# Allegro board reComputer J401_V1.0.brd (continued)
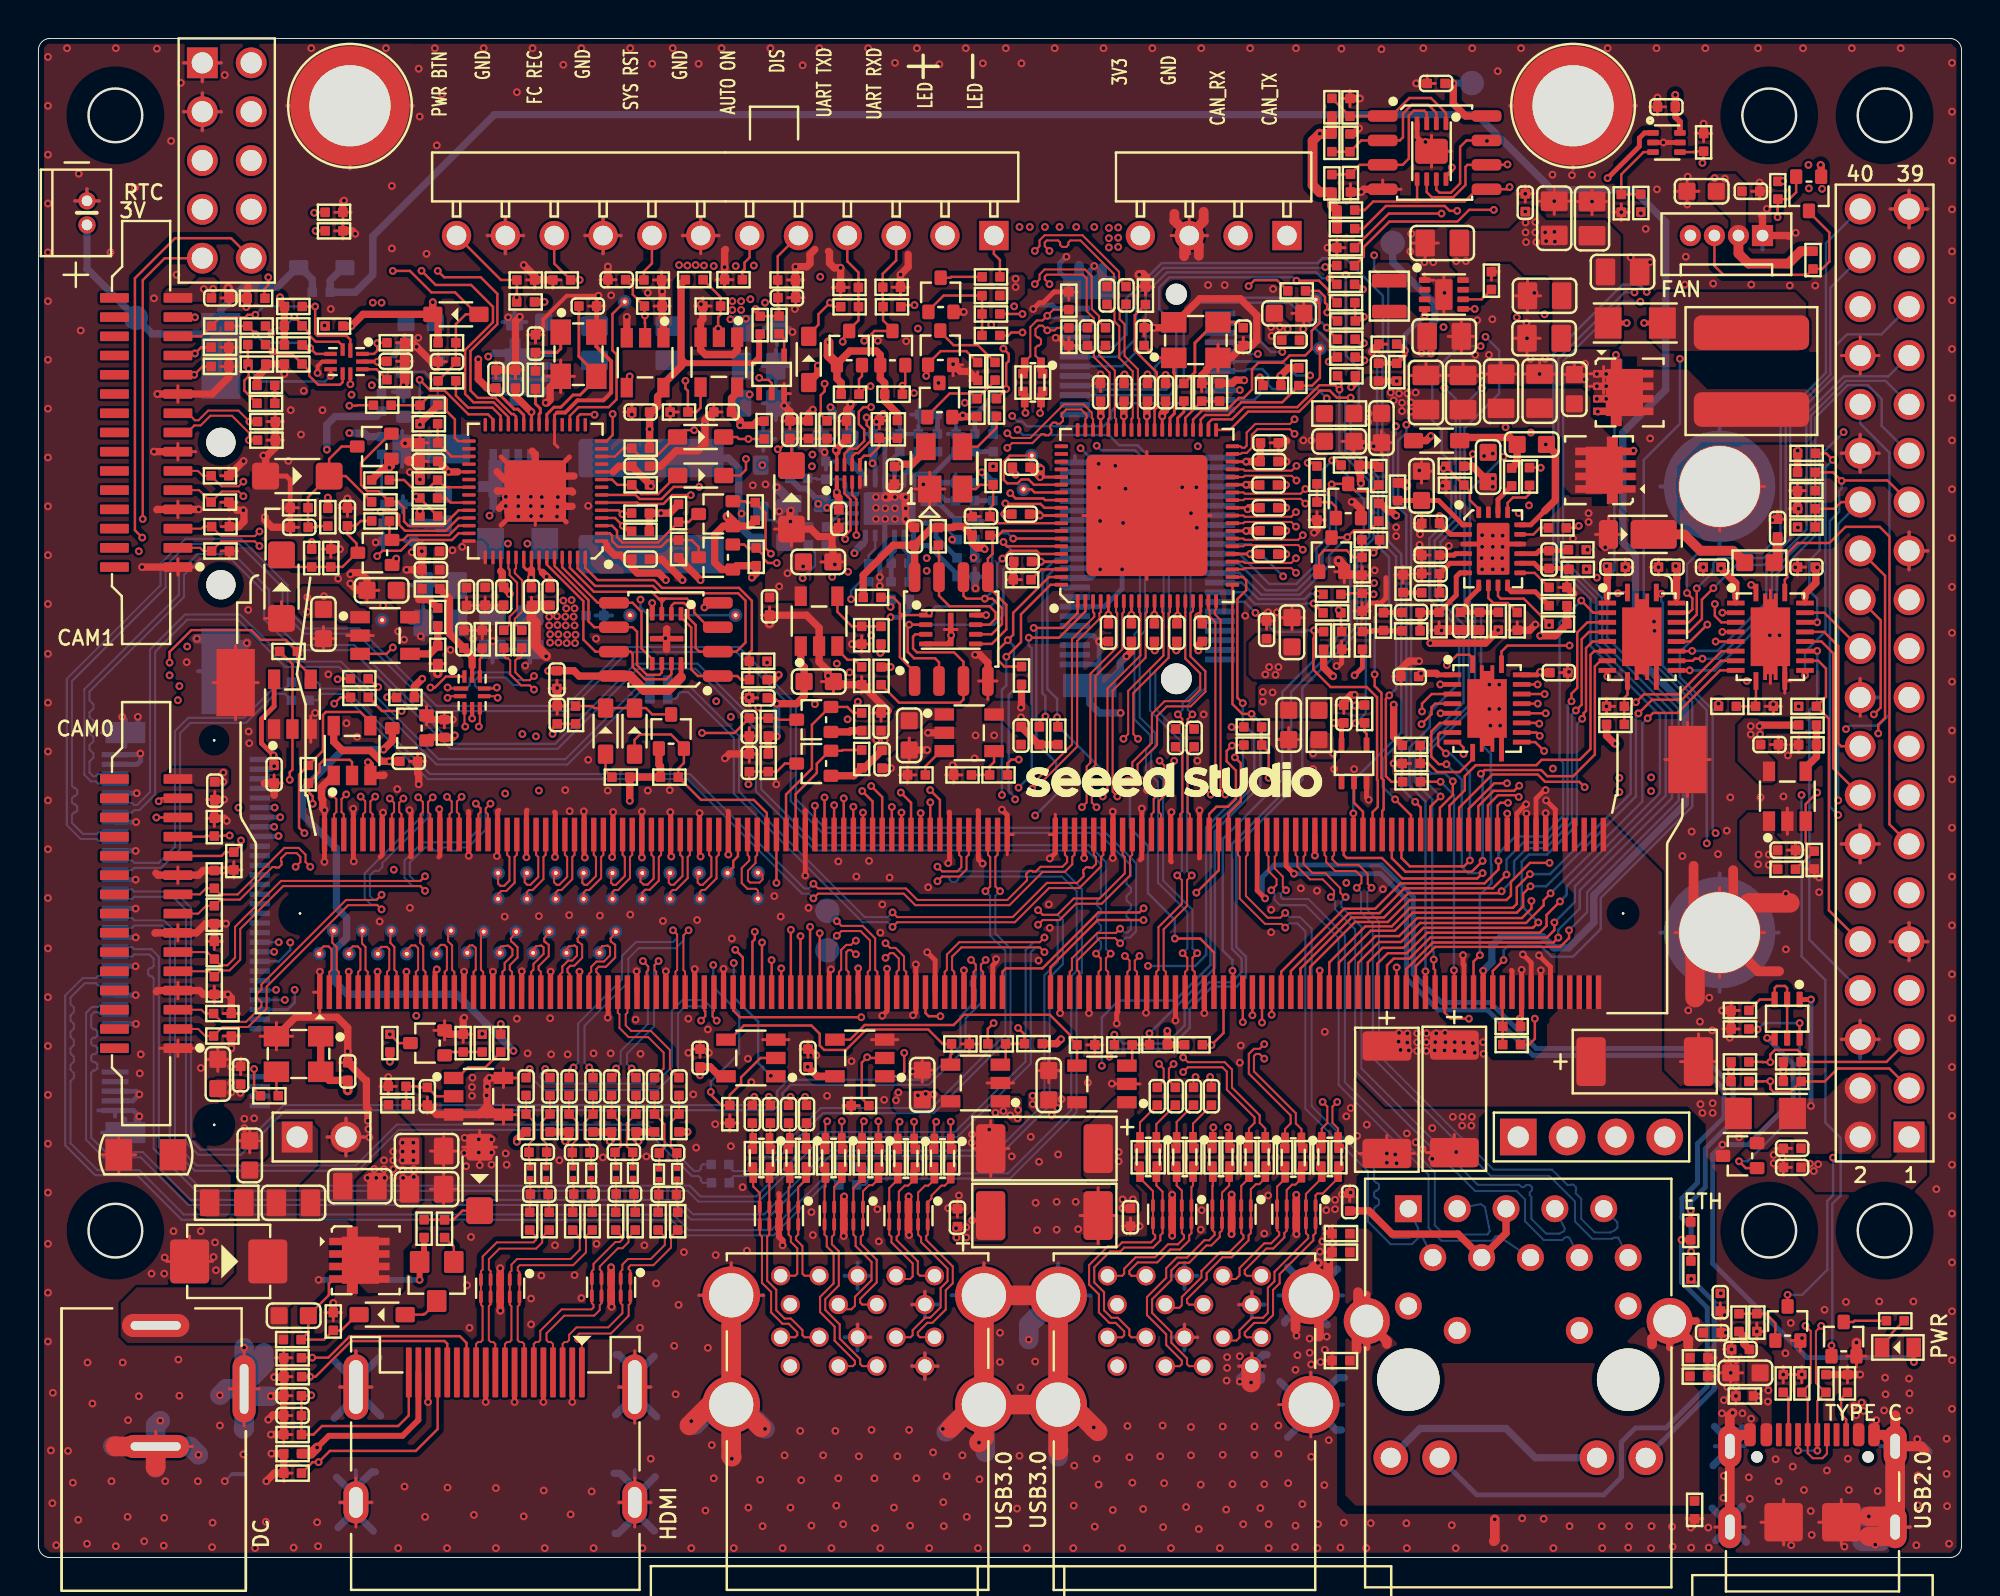
[diagram p0: board, top side]
## Routing (per net, layer and track width the routed paths; a pad name or vN(x,y) marks a point on that pad's centre or on a via; arc(x,y) is an arc through that point) (continued)
  TOP w0.152: R122.2 42.81,47.93 ; R122.2 42.81,47.08 ; R122.2 43.24,47.5 ; 8.71,38.45 D19.1 9.14,38.02 ; 50.26,50.85 R129.2 ; R129.2 51.12,50.85 ; R129.2 50.69,50.43 ; D50.1 7.86,16.72 ; D50.1 9.06,15.4 ; D50.1 6.67,15.4 ; 86.12,1.59 R280.1 ; R280.1 86.55,2.01 ; R280.1 85.69,2.01 ; 85.38,25.79 C48.2 ; C48.2 87.26,25.79 ; C48.2 86.32,27.24 ; 86.14,51.51 v1(86.57,51.51) 86.57,51.08 ; D44.1 42.14,66.05 ; D44.1 41.71,65.62 ; D44.1 41.28,66.05 ; J2.3 11.47,8.77 ; J2.3 9.91,8.77 ; J2.3 10.69,6.84 ; J2.3 10.69,10.7 ; 14.9,12.74 R258.2 ; R258.2 15.33,12.31 ; R258.2 15.76,12.74 ; 60.92,61.06 R178.1 60.49,60.63 ; MH3.1 89.75,32.5 ; MH3.1 85.09,32.5 ; MH3.1 87.42,30.17 ; MH3.1 87.42,34.83 ; C64.2 90.91,42.28 ; C64.2 90.48,41.85 ; C64.2 90.05,42.28 ; C64.2 90.48,42.71 ; 39.38,65.09 C159.2 ; C159.2 38.95,65.52 ; C159.2 39.81,65.52 ; v1(82.52,51.51) 82.52,51.93 ; v1(82.52,51.51) 82.52,51.08 ; v1(82.52,51.51) 82.95,51.51 ; 53.58,65.39 D42.1 ; D42.1 54.01,65.82 ; D42.1 53.58,66.25 ; 72.18,21.06 C38.2 73.62,22 ; 24.38,61.75 C142.2 ; C142.2 25.23,61.75 ; C142.2 24.8,61.32 ; 64.56,48.88 C86.2 ; C86.2 65.18,49.5 ; C86.2 65.18,48.26 ; C86.2 65.81,48.88 ; 61.34,63.1 X2.2 61.34,61.68 ; 26.96,59.54 26.84,59.42 U29.19 26.84,57.92 27.01,57.74 ; 77.94,70.54 v1(78.82,70.54) ; v1(78.82,70.54) 78.82,69.85 ; v1(78.82,70.54) 78.82,71.23 ; v1(78.82,70.54) 79.7,70.54 ; 81.39,61.19 Q8.1 ; Q8.1 80.66,61.56 ; Q8.1 81.39,61.94 ; 13.18,8.41 C4.2 12.75,8.84 ; C197.1 34.4,26.87 ; C197.1 33.97,26.44 ; C197.1 34.83,26.44 ; C197.1 34.4,26.01 ; 81.54,43.84 R158.1 ; R158.1 81.97,44.27 ; R158.1 81.54,44.7 ; 48.41,26.28 R74.2 ; R74.2 48.83,26.71 ; R74.2 48.41,27.14 ; R74.2 47.98,26.71 ; v1(77.4,63.41) 77.4,64.28 ; v1(77.4,63.41) 77.4,62.53 ; v1(77.4,63.41) 76.72,63.41 ; v1(77.4,63.41) 78.09,63.41 ; C187.2 20.65,23.53 ; C187.2 20.22,23.1 ; C187.2 20.22,23.95 ; C187.2 19.79,23.53 ; 23.79,62.18 C143.2 23.79,61.32 ; 87.5,12.12 C1.1 87.5,11.26 ; 15.83,68.57 D55.1 ; D55.1 15.4,68.99 ; D55.1 15.83,69.42 ; J4.4 46.77,9.96 ; J4.4 45.42,9.96 ; J4.4 46.09,10.64 ; J4.4 46.09,9.28 ; 28.42,68.75 J15.9 ; J15.9 29.36,67.81 ; J15.9 30.3,68.75 ; J15.9 29.36,69.69 ; C9.2 68.18,19.38 ; C9.2 68.18,18.52 ; C9.2 67.76,18.95 ; 30.85,60 C135.2 30.43,59.57 ; 9.92,65.07 C158.2 ; C158.2 9.49,65.5 ; C158.2 10.35,65.5 ; C104.2 76.93,61.54 ; C104.2 76.06,62.23 ; C104.2 75.18,61.54 ; U41.9 72.44,73.96 ; U41.9 72.44,72.3 ; U41.9 73.47,73.13 ; C44.2 46.58,25.35 ; C44.2 45.52,25.35 ; C44.2 45.96,25.97 ; C44.2 45.96,24.73 ; U43.4 24.87,23.04 ; U43.4 24.18,22.54 ; U43.4 24.18,23.53 ; R86.2 48.02,40.7 ; R86.2 47.16,40.7 ; R86.2 47.59,40.27 ; 91.91,35.81 R261.2 92.34,35.38 ; 42.81,44.96 R114.2 ; R114.2 43.24,45.39 ; R114.2 42.81,45.82 ; 48.58,21.27 C19.2 ; C19.2 49.52,22.72 ; C19.2 50.46,21.27 ; C19.2 49.52,19.82 ; v1(78.06,61.55) 78.94,61.55 ; v1(78.06,61.55) 77.19,61.55 ; v1(78.06,61.55) 78.06,62.24 ; J10.34 94.73,63.49 ; J10.34 93.75,62.51 ; J10.34 94.73,61.53 ; J10.34 95.71,62.51 ; 44.83,65.63 D45.1 ; D45.1 45.26,66.06 ; D45.1 44.4,66.06 ; v1(90.73,9.52) 91.16,9.52 ; v1(90.73,9.52) 90.73,9.94 ; v1(90.73,9.52) 90.73,9.09 ; C7.2 87.45,13.24 ; C7.2 87.45,12.39 ; C7.2 87.88,12.82 ; 86.8,9.86 R281.1 87.23,9.43 ; D48.1 32.41,66.87 ; D48.1 32.84,66.44 ; D48.1 31.98,66.44 ; 17.71,50.3 C99.2 17.08,49.68 ; 25.8,66.01 D46.1 25.37,66.44 ; C163.2 5.05,20.95 ; C163.2 3.3,20.95 ; C163.2 4.18,19.96 ; C163.2 4.18,21.94 ; 66.84,16.85 R279.1 ; R279.1 67.27,17.27 ; R279.1 67.27,16.42 ; 12.33,9.41 D3.1 ; D3.1 12.76,9.83 ; D3.1 13.19,9.41 ; 62.65,62.6 C153.2 ; C153.2 62.22,63.03 ; C153.2 62.65,63.46 ; 26.55,44.28 C73.2 ; C73.2 26.97,43.85 ; C73.2 27.4,44.28 ; D18.1 10.59,35.76 ; D18.1 10.16,36.19 ; D18.1 10.16,35.33 ; R246.2 18.62,24.51 ; R246.2 17.76,24.51 ; R246.2 18.19,24.08 ; D59.1 82.32,53.21 ; D59.1 80.96,53.21 ; D59.1 81.64,54.14 ; C136.2 35.11,60 ; C136.2 35.54,59.57 ; C136.2 35.11,59.14 ; 73.19,55.34 R174.2 73.19,56.2 ; 48.89,45.59 U26.4 ; U26.4 49.37,44.63 ; U26.4 49.85,45.59 ; 10.46,27.12 D12.1 9.6,27.12 ; 9.14,29.71 D14.1 9.14,28.86 ; C14.2 90.73,20.72 ; C14.2 91.16,20.29 ; C14.2 90.3,20.29 ; C14.2 90.73,19.86 ; 12.75,3.96 D1.1 13.18,4.39 ; 43.27,11.46 J4.7 42.59,12.14 ; 91.53,41.84 R98.2 ; R98.2 91.53,42.7 ; R98.2 91.1,42.27 ; 71.93,50.74 C192.2 ; C192.2 71.5,51.16 ; C192.2 72.36,51.16 ; C192.2 71.93,51.59 ; 14.16,43.77 U44.3 14.16,42.4 ; 22.26,49.94 C94.2 22.26,49.08 ; 12.66,54.59 R144.2 13.52,54.59 ; 57.28,24.63 U13.2 55.91,24.63 ; C11.2 56.78,17.66 ; C11.2 56.78,16.81 ; C11.2 56.36,17.24 ; C11.2 57.21,17.24 ; 72.11,67.48 C164.2 ; C164.2 72.79,68.36 ; C164.2 71.42,68.36 ; 87.17,1.59 J1.S1 88.73,1.59 ; C180.2 72.54,56.5 ; C180.2 71.92,57.12 ; C180.2 71.92,55.87 ; 6.09,6.55 J2.2 8.02,5.77 ; 79.24,61.52 C117.2 ; C117.2 80.49,61.52 ; C117.2 79.87,62.15 ; J5.20 31.84,8.87 ; J5.20 31.01,6.99 ; J5.20 31.01,10.75 ; J5.20 30.18,8.87 ; C75.2 36.98,45.14 ; C75.2 37.4,44.71 ; C75.2 36.98,44.28 ; C75.2 36.55,44.71 ; C162.2 30.04,66.45 ; C162.2 29.18,66.45 ; C162.2 29.61,66.02 ; 34.35,13.64 J4.19 ; J4.19 37.7,13.64 ; J4.19 36.02,15.32 ; 21.07,18.28 C195.2 ; C195.2 21.07,20.03 ; C195.2 20.38,19.16 ; C195.2 21.76,19.16 ; C131.2 70.46,57.98 ; C131.2 69.84,57.36 ; C131.2 69.21,57.98 ; C131.2 69.84,58.6 ; 11.54,27.11 OSC1.2 ; OSC1.2 13.21,27.11 ; OSC1.2 12.37,27.82 ; OSC1.2 12.37,26.4 ; 32.86,65.08 R221.2 32,65.08 ; J12.7 8.18,57.51 ; J12.7 7.25,57.94 ; J12.7 7.25,57.08 ; 96.29,70.13 J10.39 ; J10.39 97.27,71.11 ; J10.39 98.25,70.13 ; J10.39 97.27,69.15 ; 49.16,11.96 J4.22 ; J4.22 49.16,15.32 ; J4.22 50.84,13.64 ; 15.99,20.89 J7.2 ; J7.2 15.01,21.87 ; J7.2 16.97,21.87 ; J7.2 15.99,22.85 ; 70.53,51.11 R276.2 ; R276.2 70.96,50.68 ; R276.2 70.96,51.54 ; R276.2 71.38,51.11 ; 18.62,62.21 C146.2 19.47,62.21 ; C76.2 41.96,45.55 ; C76.2 41.34,44.93 ; C76.2 40.71,45.55 ; 66.16,6.27 J3.21 ; J3.21 64.48,7.95 ; J3.21 66.16,9.63 ; C166.2 89.94,71.05 ; C166.2 89.51,71.48 ; C166.2 89.08,71.05 ; C166.2 89.51,70.62 ; 67.27,9.81 R277.1 ; R277.1 66.84,10.24 ; R277.1 67.27,10.67 ; 32.85,59.14 R170.2 ; R170.2 33.27,59.57 ; R170.2 32.85,60 ; v1(88,9.6) 88,10.23 ; v1(88,9.6) 88.62,9.6 ; v1(88,9.6) 88,8.98 ; v1(88,9.6) 87.38,9.6 ; 79.52,45.59 C78.2 ; C78.2 79.09,46.02 ; C78.2 79.52,46.45 ; 37.59,49.01 C89.2 38.02,49.44 ; 11.76,48.84 D23.1 12.64,49.72 ; C45.2 10.52,25.97 ; C45.2 10.52,25.12 ; C45.2 10.09,25.54 ; C46.2 9.33,26.53 ; C46.2 9.33,25.29 ; C46.2 9.95,25.91 ; C46.2 8.71,25.91 ; R119.2 23.08,48.65 ; R119.2 23.08,47.79 ; R119.2 23.51,48.22 ; R119.2 22.65,48.22 ; 12.75,5.97 D4.1 13.18,6.4 ; 45.42,13.16 J4.13 46.09,13.84 ; 81.39,60.54 Q8.2 ; Q8.2 80.66,60.91 ; Q8.2 81.39,61.29 ; 44.16,59.14 R166.2 43.73,58.71 ; J5.21 17.34,8.87 ; J5.21 16.51,10.75 ; J5.21 15.68,8.87 ; 36.54,42.73 C69.2 ; C69.2 36.96,43.16 ; C69.2 37.39,42.73 ; 9.93,51.92 D25.1 ; D25.1 9.5,52.34 ; D25.1 10.36,52.34 ; 19.41,57.01 C122.2 20.27,57.01 ; J10.9 98.25,32.03 ; J10.9 96.29,32.03 ; J10.9 97.27,31.05 ; J10.9 97.27,33.01 ; D40.1 54.01,63.02 ; D40.1 53.58,63.45 ; D40.1 53.58,62.59 ; C134.2 77.43,66.49 ; C134.2 78.12,65.62 ; C134.2 76.74,65.62 ; C134.2 77.43,64.74 ; 12.25,40.7 C205.2 12.68,40.27 ; J10.6 94.73,27.93 ; J10.6 93.75,26.95 ; J10.6 95.71,26.95 ; 13.53,53.58 C110.2 13.1,53.15 ; J9.1 8.18,26.49 ; J9.1 7.25,26.06 ; J9.1 7.25,26.92 ; J9.1 6.32,26.49 ; 7.54,77.73 J17.1 ; J17.1 8.52,76.75 ; J17.1 9.5,77.73 ; 16.04,47.95 U24.2 17.41,47.95 ; 35.25,66.46 R229.2 ; R229.2 36.11,66.46 ; R229.2 35.68,66.03 ; v1(84.24,51.51) 84.24,51.93 ; v1(84.24,51.51) 83.81,51.51 ; v1(84.24,51.51) 84.24,51.08 ; C88.2 14.82,48.41 ; C88.2 14.2,47.79 ; C88.2 15.44,47.79 ; C88.2 14.82,47.16 ; 9.5,53.61 D26.1 9.93,54.04 ; 71.35,41.3 R90.1 70.92,40.87 ; R278.1 67.27,16.31 ; R278.1 67.27,15.45 ; R278.1 66.84,15.88 ; C155.2 91.9,51.51 ; C155.2 91.47,51.93 ; C155.2 91.47,51.08 ; R70.2 55.36,26.66 ; R70.2 54.93,27.09 ; R70.2 54.93,26.23 ; R70.2 54.5,26.66 ; U43.5 24.18,25.44 ; U43.5 24.18,24.44 ; U43.5 24.87,24.94 ; 70.13,63.1 R199.2 69.7,62.67 ; C147.2 26.27,63.59 ; C147.2 25.85,64.02 ; C147.2 25.85,63.16 ; C147.2 25.42,63.59 ; 66.05,53.96 R265.2 ; R265.2 66.48,54.39 ; R265.2 66.91,53.96 ; 9.17,38.99 C60.2 ; C60.2 8.74,39.42 ; C60.2 9.17,39.85 ; C10.2 47.79,18.56 ; C10.2 47.36,18.14 ; C10.2 48.21,18.14 ; C10.2 47.79,17.71 ; J5.22 31.84,2.87 ; J5.22 31.01,4.15 ; J5.22 30.18,2.87 ; J5.22 31.01,1.59 ; 9.47,61.95 D37.1 10.33,61.95 ; J15.11 25.22,68.75 ; J15.11 23.34,68.75 ; J15.11 24.28,67.81 ; J15.11 24.28,69.69 ; J10.14 95.71,37.11 ; J10.14 94.73,36.13 ; J10.14 93.75,37.11 ; J10.14 94.73,38.09 ; 38.65,59.11 C130.2 39.07,58.69 ; 89.75,55.7 MH4.1 87.42,53.37 ; 49.33,24.68 U14.2 50.7,24.68 ; 42.03,58.68 C129.2 41.6,59.11 ; 48.12,54.14 C113.2 48.98,54.14 ; C43.2 53.16,25.32 ; C43.2 51.91,25.32 ; C43.2 52.54,25.95 ; C43.2 52.54,24.7 ; 79.8,72.22 MH2.1 ; MH2.1 83.08,75.5 ; MH2.1 76.52,75.5 ; 45.28,41.37 C68.2 45.28,42.62 ; 94.07,9.09 R3.2 94.07,9.94 ; D49.1 39.79,66.44 ; D49.1 38.94,66.44 ; D49.1 39.37,66.01 ; 72.64,76.66 C168.2 72.22,77.09 ; 41.19,53.56 C111.1 41.62,53.99 ; v1(70.12,21.01) 70.12,21.95 ; v1(70.12,21.01) 71.57,21.01 ; v1(70.12,21.01) 68.67,21.01 ; R253.2 72.83,48.66 ; R253.2 73.26,48.23 ; R253.2 72.4,48.23 ; 20.18,44.29 Q16.2 20.18,43.3 ; 47.77,48.26 U25.9 47.11,48.26 ; Q19.2 68.4,51.27 ; Q19.2 67.41,51.27 ; Q19.2 67.9,50.71 ; 22.12,48.65 C80.2 22.55,48.22 ; v1(80.79,70.52) 81.66,70.52 ; v1(80.79,70.52) 80.79,71.21 ; v1(80.79,70.52) 80.79,69.83 ; v1(80.79,70.52) 79.91,70.52 ; 9.6,28.29 D13.1 10.46,28.29 ; 8.52,74.21 J17.3 ; J17.3 8.52,76.17 ; J17.3 7.54,75.19 ; J17.3 9.5,75.19 ; 29.46,65.08 C157.2 28.6,65.08 ; J11.261 86.93,41.5 ; J11.261 85.75,43.43 ; J11.261 84.57,41.5 ; J11.261 85.75,39.57 ; J14.1 3.15,70.55 ; J14.1 1.89,70.55 ; J14.1 2.52,71.18 ; 73.08,66.66 U38.9 73.08,64.7 ; C193.2 85.72,71.68 ; C193.2 85.1,71.05 ; C193.2 86.35,71.05 ; C193.2 85.72,70.43 ; C206.2 20.15,41.41 ; C206.2 19.72,41.84 ; C206.2 19.29,41.41 ; 15.2,52.01 R131.2 ; R131.2 14.77,52.44 ; R131.2 15.2,52.87 ; J12.1 7.25,51.94 ; J12.1 8.18,51.51 ; J12.1 7.25,51.08 ; 20.38,21.14 C194.2 ; C194.2 21.76,21.14 ; C194.2 21.07,22.02 ; C194.2 21.07,20.26 ; 11.89,59.08 D36.1 ; D36.1 12.32,59.5 ; D36.1 12.74,59.08 ; R85.2 45.19,41.13 ; R85.2 45.19,40.27 ; R85.2 45.62,40.7 ; R85.2 44.76,40.7 ; 55.23,60.63 C137.2 54.8,61.06 ; 73.3,63.51 C148.2 ; C148.2 74.68,63.51 ; C148.2 73.99,64.38 ; C148.2 73.99,62.63 ; D8.1 12.75,10.82 ; D8.1 12.33,10.39 ; D8.1 13.18,10.39 ; 34.44,67.81 J15.7 ; J15.7 34.44,69.69 ; J15.7 33.5,68.75 ; J15.7 35.38,68.75 ; 82.31,69.54 v1(82.31,69.97) ; v1(82.31,69.97) 81.88,69.97 ; v1(82.31,69.97) 82.74,69.97 ; v1(82.31,69.97) 82.31,70.39 ; 18.62,63.18 R200.2 19.05,63.6 ; 90.3,21.28 C20.2 ; C20.2 90.73,20.85 ; C20.2 91.16,21.28 ; 15.68,2.87 J5.23 ; J5.23 17.34,2.87 ; J5.23 16.51,4.15 ; J5.23 16.51,1.59 ; C59.2 91.37,37.22 ; C59.2 90.94,36.79 ; C59.2 91.37,36.36 ; C59.2 91.79,36.79 ; C196.1 84.62,75.44 ; C196.1 84.19,75.02 ; C196.1 83.76,75.44 ; C121.2 44.51,56.24 ; C121.2 44.51,55.38 ; C121.2 44.94,55.81 ; C121.2 44.08,55.81 ; 64.47,57.54 C127.2 64.04,57.97 ; D24.1 69.26,49.22 ; D24.1 68.4,49.22 ; D24.1 68.83,48.79 ; D24.1 68.83,49.65 ; 97.33,1.59 J1.S3 95.77,1.59 ; 12.74,58.11 D35.1 11.89,58.11 ; v1(77.31,70.92) 77.31,71.35 ; v1(77.31,70.92) 76.89,70.92 ; v1(77.31,70.92) 77.31,70.49 ; v1(77.31,70.92) 77.74,70.92 ; D31.1 9.9,56.68 ; D31.1 9.47,56.26 ; D31.1 10.33,56.26 ; C145.2 21.21,62.19 ; C145.2 20.78,61.76 ; C145.2 20.78,62.62 ; R222.2 34.55,65.51 ; R222.2 34.98,65.08 ; R222.2 34.12,65.08 ; 64.39,42.54 C70.2 ; C70.2 65.64,42.54 ; C70.2 65.01,43.16 ; C70.2 65.01,41.92 ; 57.56,65.66 R225.2 ; R225.2 57.99,66.09 ; R225.2 57.14,66.09 ; 67.77,75.88 R243.2 ; R243.2 68.2,75.45 ; R243.2 68.2,76.31 ; 45.56,55.57 U31.1 ; U31.1 46.35,56.45 ; U31.1 46.35,54.69 ; U31.1 47.13,55.57 ; 12.33,7.39 C2.2 13.18,7.39 ; J10.25 97.27,53.33 ; J10.25 98.25,52.35 ; J10.25 97.27,51.37 ; 39.16,52.61 D29.1 38.28,53.49 ; R75.2 36.38,22.59 ; R75.2 35.95,22.17 ; R75.2 35.52,22.59 ; R75.2 35.95,23.02 ; 90.06,45.46 U21.21 90.06,50.32 ; 91.62,10.73 Q1.2 91.12,11.29 ; Q3.2 21.12,27.91 ; Q3.2 20.56,27.42 ; Q3.2 21.12,26.92 ; 71.93,51.7 C190.2 ; C190.2 72.36,52.13 ; C190.2 71.5,52.13 ; 43.81,43.5 C71.2 43.39,43.92 ; 7.25,35.92 J9.10 7.25,35.06 ; 26.75,66.01 D47.1 27.18,66.44 ; C92.2 74.96,61.48 ; C92.2 73.2,61.48 ; C92.2 74.08,62.16 ; 24.19,49.1 C98.2 23.76,49.53 ; 55.1,16.34 C12.2 ; C12.2 55.1,19.23 ; C12.2 56.04,17.79 ; C12.2 54.16,17.79 ; 63.09,13.83 J3.13 62.41,13.15 ; 65.8,64.08 C154.2 ; C154.2 65.8,65.33 ; C154.2 65.17,64.71 ; 71.5,53.78 C123.2 71.93,54.21 ; 20.27,57.97 R155.2 19.84,58.4 ; 25.64,49.94 C95.2 26.07,49.51 ; 69.9,71.64 U40.4 70.86,71.16 ; 91.27,9.52 v1(91.69,9.52) ; v1(91.69,9.52) 91.69,9.09 ; v1(91.69,9.52) 91.69,9.94 ; 79.48,50.88 R274.2 79.05,50.45 ; 89.79,44.27 R107.1 ; R107.1 90.64,44.27 ; R107.1 90.21,43.84 ; C93.2 72.15,62.16 ; C93.2 73.03,61.48 ; C93.2 71.27,61.48 ; 67.45,44.33 C74.1 67.88,43.9 ; 90.94,37.61 U15.2 90.94,38.98 ; 7.25,54.08 J12.4 7.25,54.94 ; 7.25,29.06 J9.4 7.25,29.92 ; 91.04,54.54 D28.1 91.47,54.11 ; v1(88.27,8.4) 88.27,8.83 ; v1(88.27,8.4) 87.84,8.4 ; v1(88.27,8.4) 88.27,7.97 ; 63.86,48.28 C87.2 ; C87.2 63.43,48.71 ; C87.2 64.29,48.71 ; C112.2 16.5,54.58 ; C112.2 16.07,54.15 ; C112.2 15.64,54.58 ; 57.64,50.86 U28.77 ; U28.77 54.31,54.19 ; U28.77 57.64,57.52 ; U28.77 60.97,54.19 ; 48.06,62.02 Q29.2 47.56,61.46 ; 89.57,1.84 J1.S5 ; J1.S5 90.75,0.66 ; J1.S5 90.75,3.01 ; D15.1 9.57,32.05 ; D15.1 9.14,31.62 ; D15.1 8.71,32.05 ; 90.86,54 C178.2 90.43,54.43 ; D39.1 10.33,62.94 ; D39.1 9.47,62.94 ; D39.1 9.9,63.36 ; 43.32,26.93 U12.3 44.69,26.93 ; 86.16,74.06 R217.2 ; R217.2 87.02,74.06 ; R217.2 86.59,73.63 ; 92.57,1.84 J1.S6 ; J1.S6 94.93,1.84 ; J1.S6 93.75,3.01 ; J1.S6 93.75,0.66 ; 10.99,21.05 C165.2 ; C165.2 10.36,21.67 ; C165.2 10.99,22.3 ; C165.2 11.61,21.67 ; 88.45,28.45 R80.2 88.02,28.88 ; v1(88.05,10.82) 88.05,11.25 ; v1(88.05,10.82) 87.62,10.82 ; v1(88.05,10.82) 88.05,10.39 ; 68.4,57.43 C128.2 ; C128.2 67.78,58.05 ; C128.2 69.03,58.05 ; 91.04,55.48 D30.1 ; D30.1 91.47,55.91 ; D30.1 91.9,55.48 ; 26.45,61.43 X1.2 ; X1.2 27.16,60.59 ; X1.2 27.87,61.43 ; X1.2 27.16,62.27 ; 23.23,49.1 C97.2 ; C97.2 22.8,49.53 ; C97.2 23.23,49.96 ; C97.2 23.65,49.53 ; 62.41,9.95 J3.4 ; J3.4 63.09,9.27 ; J3.4 63.09,10.63 ; J3.4 63.77,9.95 ; 94.54,9.91 Q2.2 ; Q2.2 94.04,10.47 ; Q2.2 95.03,10.47 ; 50.69,37.6 J11.144 50.37,36.55 ; 21.11,43.15 R101.2 21.11,44.01 ; 91.11,45.59 U21.11 90.81,44.95 ; J11.262 10.25,47.43 ; J11.262 11.43,45.5 ; J11.262 10.25,43.57 ; J11.262 9.07,45.5 ; 70.42,45.82 C77.1 70.85,45.39 ; 87.24,10.39 R1.1 86.81,9.96 ; C198.1 40.02,26.87 ; C198.1 40.02,26.01 ; C198.1 39.59,26.44 ; 21.19,46.48 R118.2 20.33,46.48 ; 22.06,21.34 D53.1 ; D53.1 23.82,21.34 ; D53.1 22.94,20.47 ; D53.1 22.94,22.22 ; 9.9,54.46 D27.1 ; D27.1 9.47,54.88 ; D27.1 10.33,54.88 ; R232.2 67.95,68.12 ; R232.2 67.52,67.69 ; R232.2 67.52,68.55 ; R79.2 88.45,27.49 ; R79.2 87.59,27.49 ; R79.2 88.02,27.06 ; v1(89.36,11.76) 89.79,11.76 ; v1(89.36,11.76) 89.36,12.19 ; v1(89.36,11.76) 89.36,11.33 ; 48.83,61.65 R189.2 48.41,61.23 ; 68.2,47.23 D22.1 67.77,47.66 ; 68.22,70.59 R240.2 68.22,71.45 ; 12.92,75.5 MH1.1 ; MH1.1 16.2,72.22 ; MH1.1 19.48,75.5 ; 25.84,53.68 U29.57 ; 39.03,26.93 U17.3 37.66,26.93 ; 59.59,12.13 J3.7 60.27,11.45 ; 59.84,67.81 J16.3 ; J16.3 59.84,69.69 ; J16.3 58.9,68.75 ; J16.3 60.78,68.75 ; 7.25,60.94 J12.10 7.25,60.08 ; 36.96,41.36 C62.2 37.39,41.79 ; 19.95,50.94 C100.2 19.95,51.8 ; 75.98,66.87 R219.2 75.55,66.44 ; 26.53,45.19 C79.2 ; C79.2 26.96,44.77 ; C79.2 26.96,45.62 ; C79.2 27.39,45.19 ; R267.2 68.83,51.52 ; R267.2 69.26,51.09 ; R267.2 68.83,50.66 ; 41.93,51.78 C101.2 40.69,51.78 ; 94.73,56.45 J10.30 ; J10.30 95.71,57.43 ; J10.30 94.73,58.41 ; J10.30 93.75,57.43 ; 14.62,28.35 J11.1 14.31,29.4 ; 52.87,38.65 J11.146 52.56,37.6 ; 38.78,61.06 U33.3 39.1,60.53 ; 16.51,25.74 C47.2 15.65,25.74 ; 72.56,66.43 U38.1 72.08,66.76 ; 42.26,23.08 R69.2 ; R69.2 41.83,23.5 ; R69.2 42.26,23.93 ; R69.2 42.69,23.5 ; 94.73,43.75 J10.20 94.73,45.71 ; 57.49,63.53 C152.2 57.49,64.38 ; 22.08,26.79 R12.2 22.51,27.22 ; 7.25,32.06 J9.7 7.25,32.92 ; 15.4,69.96 D54.1 ; D54.1 15.83,69.53 ; D54.1 16.26,69.96 ; 76.9,48.65 R275.2 76.47,48.22
  TOP w0.203: C147.2 26.25,64 26.25,64.4 27.48,65.62 v1(29.12,65.62) 29.12,65.59 29.03,65.5 C157.2 ; 26.96,59.54 27.39,59.54 28.03,60.18 29.37,60.18 29.78,60.59 29.78,62.21 29.01,62.98 X1.4 ; U20.4 v1(22.55,43.64) ; v1(14.52,61.6) 14.52,61.96 14.75,62.2 U36.4
  TOP w0.254: v1(16.37,38.95) 16.37,38.94 J11.8 16.37,36.22 v1(16.4,36.2) ; J11.245 77.62,30.93 v1(77.19,31.36) ; D11.1 77.07,27.93 77.02,27.97 v1(77.02,28.02) 77.02,28.07 77.12,28.17 J11.243 v1(77.12,30.56) ; U11.2 v1(84.49,73.59) U11.5 ; v1(60.37,38.86) J11.176 60.37,36.39 60.36,36.38 ; J11.242 76.87,38.69 v1(77.36,39.17) ; 24.06,53.68 U29.57 ; U29.57 24.06,57.24 ; U29.57 27.61,57.24 ; U29.57 27.44,53.85 ; v1(90.03,47.96) 90.03,47.51 90.81,46.73 U21.11 ; v1(78.4,39.38) 78.87,38.9 J11.250 ; 70.07,50.96 70.07,49.89 69.81,49.64 69.61,49.64 69.61,49.64 69.25,49.64 D24.1 ; v1(49.8,31.12) 49.8,30.97 49.62,30.8 J11.141 ; v1(25.37,36.42) J11.44 25.37,38.83 25.41,38.87 ; J11.85 v1(35.63,30.61) ; J11.241 76.62,30.51 76.59,30.54 ; v1(29.6,28.07) 29.62,28.1 J11.61 ; J11.49 26.62,30.46 v1(26.63,30.47) ; 23.94,38.87 23.87,38.81 J11.38 23.87,36.52 v1(23.84,36.48) ; 22.36,38.79 22.37,38.78 J11.32 v1(22.37,36.5) ; 20.81,36.43 20.87,36.49 J11.26 20.87,38.89 v1(20.84,38.92) ; 17.77,36.43 17.87,36.54 J11.14 17.87,38.7 v1(17.92,38.74) ; U40.4 69.88,71.16 ; U25.9 47.44,47.69 47.26,47.51 U25.4 ; J11.79 v1(34.12,30.61) ; U33.3 v1(38.78,59.9) ; J5.2 v1(27.76,8.09) ; J11.147 v1(53.12,28.31) ; J11.37 23.62,30.46 v1(23.63,30.47) ; v1(51.73,64.93) 52.05,65.25 52.24,65.25 52.81,65.82 D42.1 ; J11.73 v1(32.63,30.49) ; J11.159 56.12,28.39 56.08,28.34 56.08,28.23 56.07,28.23 v1(56.07,27.77) ; C157.2 29.03,63.75 X1.4 ; D22.1 67.77,46.53 67.6,46.36 v1(67.5,46.36) ; v1(45.48,28.2) 45.63,28.35 J11.125 v1(45.63,30.84) ; J11.55 28.12,30.46 v1(28.13,30.47) ; 47.36,38.77 47.37,38.75 J11.132 47.37,36.19 47.31,36.13 v1(47.31,36.11) ; J11.153 v1(54.62,28.31) ; J11.247 v1(78.12,30.54) ; J11.201 v1(66.62,30.52) ; D40.1 53.46,63.02 53.05,63.43 v1(52.89,63.43) ; 26.83,38.77 26.87,38.73 J11.50 26.87,36.45 v1(26.86,36.43) ; v1(34.38,38.72) 34.37,38.71 J11.80 34.37,36.51 v1(34.43,36.46) ; v1(52.59,36.35) 52.87,36.64 J11.146 ; C110.2 13.1,54.08 13.09,54.09 R144.2 13.09,56.04 12.89,56.24 D33.1 ; v1(76.01,43.26) 76.01,42.81 76.08,42.74 U19.11 ; 58.91,36.18 58.87,36.22 J11.170 58.87,38.73 v1(58.91,38.77) ; J11.1 14.62,30.46 v1(14.63,30.47) ; U37.21 84.13,47.14 U37.11 ; J11.113 v1(42.63,30.64) ; 55.87,36.33 v1(55.87,36.38) 55.87,36.39 J11.158 55.87,38.79 v1(55.87,38.79) ; U10.14 75.9,52.71 U10.21 75.4,52.71 U10.3 ; v1(49.1,36.09) 48.87,36.31 J11.138 48.87,38.83 48.86,38.84 ; v1(19.29,38.87) 19.37,38.79 J11.20 19.37,36.46 19.34,36.43 ; v1(35.87,36.56) J11.86 35.87,38.8 35.85,38.82 ; J11.144 50.37,38.62 v1(50.1,38.89) ; v1(46.21,31.48) 46.63,31.07 J11.129 ; U41.9 71.69,73.88 U41.4 ; U3.3 38.51,18.92 38.49,18.93 ; J11.165 57.62,28.36 v1(57.59,28.33) ; J11.13 17.62,30.46 v1(17.63,30.47) ; v1(41.21,30.59) 41.12,30.5 J11.107 ; C198.1 40.13,26.44 v1(40.45,26.12) ; v1(31.1,30.49) 31.12,30.46 J11.67 ; U23.4 v1(31.91,49.64) ; U16.3 69.06,39.52 v1(69.18,39.4) ; v1(29.88,38.77) 29.87,38.76 J11.62 29.87,36.47 v1(29.83,36.43) ; v1(44.12,30.62) J11.119 44.12,28.42 v1(43.88,28.18) ; J11.43 25.12,30.33 25.13,30.34 v1(25.13,30.49) ; v1(57.37,38.95) J11.164 57.37,36.36 57.29,36.28 ; v1(48.12,30.54) J11.135 ; J11.200 v1(66.38,36.51) ; R90.1 v1(70.47,41.3) ; v1(78.37,39.91) 78.32,39.91 77.87,39.47 J11.246 ; v1(31.38,38.79) 31.37,38.79 J11.68 31.37,36.41 v1(31.38,36.41) ; v1(16.13,30.47) 16.12,30.46 J11.7 ; v1(14.87,36.18) 14.88,36.18 J11.2 v1(14.88,38.87) ; v1(28.41,36.41) 28.37,36.44 J11.56 28.37,38.79 v1(28.36,38.81) ; v1(78.03,31.31) 78.62,30.72 J11.249 ; v1(32.85,38.77) 32.87,38.75 J11.74 32.87,36.49 v1(32.91,36.46) ; v1(39.87,35.47) J11.102 39.87,38.83 39.86,38.84 ; v1(74.08,31.33) 74.08,30.87 74.12,30.82 J11.231 ; v1(22.13,30.47) 22.12,30.46 J11.31 ; J5.5 v1(26.26,8.09) ; J11.19 19.12,30.46 v1(19.13,30.47) ; J11.171 v1(59.12,27.93) ; J11.152 v1(54.37,36.37) ; J5.17 v1(20.26,8.09) ; J11.177 v1(60.62,28.31) ; J11.248 v1(78.38,38.71) ; J11.244 v1(77.38,38.69) ; J11.25 20.62,30.46 20.71,30.55 v1(20.71,30.59) ; J5.8 v1(24.76,8.09) ; J5.11 v1(23.26,8.09)
  TOP w0.305: v1(71.81,56.54) 71.84,56.5 C180.2 ; v1(38.7,16.24) 38.7,16.49 38.51,16.68 U3.8 U3.3 ; C113.2 48.55,54.16 v1(48.32,54.39)
  TOP w0.381: C123.2 71.93,53.69 71.84,53.6 v1(71.84,53.22) ; C63.2 v1(44.33,41.05) ; R79.2 R80.2 v1(87.55,28.45) ; 89.6,69.81 89.65,69.75 J13.1 90.96,68.75 90.99,68.71 ; C108.2 45.46,53.57 45.07,53.96 45.07,53.98 v1(45.1,54.01) 45.09,54.02 45.09,54.56 v1(45.1,54.57) 45.07,54.59 45.07,55.05 44.94,55.18 45.07,55.18 v1(45.1,55.15) ; R267.2 68.08,51.09 Q19.2 ; 64.91,58.07 64.83,58.07 64.81,58.05 64.73,58.05 64.66,57.97 C127.2 ; D26.1 10.41,53.61 10.68,53.88 10.68,54.44 v1(10.65,54.46) 10.32,54.46 D27.1 ; v1(18.98,60.97) 19.05,61.03 R186.2 ; C196.1 v1(84.19,75.93) ; 23.33,23.04 22.89,23.04 ; 23.33,23.04 23.33,23.48 ; 23.33,23.04 23.77,23.04 ; 22.89,23.04 U43.3 20.71,23.04 C187.2 ; 22.89,23.04 23.33,23.48 ; C87.2 63.86,49.08 v1(63.94,49.16) ; 40.37,68.03 40.12,67.77 40.12,67.29 39.96,67.13 v1(39.37,67.13) D49.1 39.38,66.43 C159.2 ; U45.1 15.33,40.67 14.72,40.06 14.72,39.48 14.78,39.42 14.78,38.96 v1(14.88,38.87) ; v1(19.14,51.37) C100.2 19.93,51.38 v1(19.93,52.33) ; v1(22.14,28.07) 22.08,28.02 R12.2 21.32,27.22 Q3.2 ; v1(9.65,39.42) C60.2 9.14,39.39 D19.1 9.65,38.45 v1(9.79,38.31) ; v1(11.77,54.11) 11.77,53.96 12.15,53.58 C110.2 ; v1(68.44,44.86) 68.26,44.86 67.88,44.48 C74.1 ; C102.2 50.72,51.37 v1(50.66,51.32) 50.69,51.29 R129.2 ; 23.77,23.04 23.33,23.48 ; 23.77,23.04 U43.4 ; 23.33,23.48 v1(23.33,24.49) 23.33,24.82 v1(23.45,24.94) U43.5 ; C83.2 58.03,47.2 v1(58.05,47.18) ; R86.2 47.59,41.15 v1(47.54,41.21) ; v1(34.63,49.41) 34.87,49.65 U22.4 ; D48.1 32.41,65.87 v1(32.43,65.84) R221.2 32.43,64.51 32.5,64.45 U34.1 ; 26.97,45.21 v1(26.97,45.22) ; 26.97,45.21 C73.2 ; 26.97,45.21 C79.2 ; 27.75,54.67 27.39,54.67 27.34,54.72 ; v1(40.27,59.7) 40.04,59.47 R164.2 C130.2 39.07,59.6 v1(38.78,59.9) ; C84.2 59.2,47.2 v1(59.17,47.18) ; v1(45.25,18.78) 45.24,18.77 U5.3 U5.8 45.24,16.81 v1(45.27,16.77) ; v1(21.54,43.58) R101.2 20.24,43.58 20.03,43.79 ; v1(16.22,50.65) 16.57,50.3 C99.2 17.08,50.88 16.75,51.21 16.29,51.21 v1(16.22,51.14) ; v1(6.18,60.51) J12.10 9.03,60.51 9.9,61.38 D37.1 D39.1 ; D8.1 12.75,9.41 D3.1 12.76,8.42 C4.2 ; R178.1 60.49,61.47 60.74,61.73 60.74,61.8 X2.2 62.01,62.39 C153.2 63.09,63.03 63.36,63.3 63.36,64.6 62.5,65.46 60.39,65.46 59.16,64.24 X2.4 58.75,63.96 v1(57.99,63.96) C152.2 ; v1(29.81,13.04) 29.78,13.07 U2.8 U2.3 v1(29.78,15.09) ; C85.2 60.34,47.46 60.34,47.28 60.31,47.25 v1(60.31,47.18) ; C129.2 42.03,59.67 42.23,59.88 v1(42.23,60) ; J12.7 6.05,57.51 6.04,57.51 v1(6.01,57.51) ; C82.2 56.83,47.13 v1(56.58,46.87) ; X1.2 26.61,60.88 26.6,60.2 26.45,60.05 v1(26.38,60.05) ; D55.1 16.32,68.99 v1(16.47,68.84) ; v1(71.64,76.66) 71.64,76.66 C168.2 ; C139.2 v1(57.67,61.53) ; D18.1 9.62,35.76 v1(9.59,35.73) D17.1 8.56,35.73 8.32,35.49 J9.10 6.21,35.49 6.11,35.59 ; C107.2 32.4,51.92 v1(33.49,50.83) ; v1(25.03,64.52) 24.8,64.3 C142.2 24.8,61.75 C143.2 ; v1(25.23,67.22) 25.8,66.65 D46.1 D47.1 ; R232.2 v1(67.03,68.12) ; R122.2 v1(42.3,47.5) ; R189.2 48.37,61.69 47.93,61.69 v1(47.56,62.06) Q29.2 ; 41.24,53.09 40.57,53.09 40.17,53.49 D29.1 39.16,53.52 39.08,53.6 39.08,54.41 v1(39.12,54.45) ; 41.24,53.09 41.26,53.07 41.26,52.56 41.31,52.51 C101.2 ; 41.24,53.09 41.62,53.48 C111.1 ; R174.2 73.05,55.77 v1(73.01,55.73) ; v1(68.29,54.9) 68.39,54.9 68.77,54.52 Q22.2 ; v1(77.84,48.52) 77.54,48.22 R275.2 ; U29.57 25.84,57.37 25.67,57.54 ; v1(15.89,70.57) 15.83,70.51 D54.1 ; D33.1 11.81,57.19 v1(11.7,57.31) 11.9,57.31 12.32,57.73 D35.1 D36.1 ; v1(12.12,5.4) D2.1 D1.1 12.27,4.39 v1(11.85,3.97) ; 41.08,67.93 41.13,67.88 41.13,67.32 41.38,67.07 v1(41.71,67.07) D44.1 ; J12.1 v1(5.39,51.51) ; D43.1 9.93,65.49 C158.2 ; D43.1 10.85,65.08 v1(10.81,65.03) ; D43.1 10.85,66.02 10.91,66.07 ; C140.2 v1(58.61,61.5) ; v1(62.04,18.87) U7.3 U7.8 62.04,16.83 v1(62.04,16.82) ; 43.81,44.39 v1(44.17,44.03) 43.94,44.03 43.83,43.92 C71.2 43.81,44.39 ; 43.81,44.39 R114.2 41.5,45.39 C76.2 41.34,45.58 v1(41.06,45.85) 41.06,46.11 40.59,46.57 U27.2 40.59,48.35 39.94,49.01 C89.2 ; 6.13,29.42 6.2,29.49 J9.4 8.37,29.49 8.58,29.28 D14.1 v1(9.85,29.28) 10.03,29.11 D13.1 ; C120.2 v1(64.87,55.78) ; 12.25,39.66 C205.2 11.75,40.27 11.75,40.27 ; v1(71.82,52.66) 71.82,52.31 71.93,52.19 C190.2 ; 24.85,55.46 23.88,55.46 23.86,55.48 ; 24.85,55.46 23.84,56.47 ; 24.85,55.46 24.86,55.46 23.96,54.57 ; v1(11.95,7.17) 12.19,7.41 12.75,7.41 C4.2 ; v1(58.95,18.87) U6.3 U6.8 v1(58.95,16.73) ; D7.1 R3.2 v1(94.73,9.52) ; U34.3 v1(30.59,64.52) ; v1(24.01,15.05) U1.3 U1.8 24.01,12.84 v1(24.02,12.83) ; v1(19.77,40.22) 19.77,40.74 19.72,40.79 C206.2 ; v1(66.33,53.3) 66.48,53.45 R265.2 ; v1(30.85,59.44) C135.2 ; D31.1 v1(10.67,57.02) ; C114.2 50.56,54.26 50.56,54.26 v1(50.23,54.26) ; v1(43.93,59.47) 43.73,59.27 R166.2 ; C109.2 v1(64.88,53.4) ; v1(69.35,62.71) 69.35,62.74 69.5,62.89 69.5,62.9 R199.2 ; 6.06,32.47 6.08,32.49 J9.7 8.21,32.49 8.69,32.97 D16.1 ; v1(79.82,50.12) 79.49,50.45 R274.2 ; C103.2 v1(64.88,52.18) ; U18.2 v1(46.26,42.89) ; v1(56.48,61.53) 56.45,61.5 C138.2 ; v1(50.81,56.32) 50.64,56.49 C124.2 ; R131.2 v1(15.68,52.44) ; R243.2 v1(68.72,75.88) ; OSC1.2 13.36,28.1 15.53,28.1 16.08,27.55 v1(16.08,26.33) C47.2 17.01,24.81 17.05,24.81 17.05,23.41 17.13,23.34 v1(17.13,22.71) ; D16.1 v1(9.75,32.97) ; D16.1 D15.1 ; U26.4 49.37,46.54 48.96,46.95 v1(48.7,46.95) ; v1(12.09,6.4) D4.1 C2.2 ; R246.2 v1(18.19,24.98) ; R217.2 v1(86.59,74.57) ; 17.97,40.7 17.94,40.67 U45.3 17.26,41.23 v1(17.13,41.36) ; 45.22,67.77 45.22,67.11 v1(44.83,66.72) D45.1 ; C115.2 v1(64.88,54.59) ; C4.2 12.1,8.41 v1(12.08,8.39) ; v1(35.7,41.56) 35.93,41.79 C62.2 C69.2 ; C81.2 v1(55.16,47.64) ; R258.2 v1(15.33,13.24) ; v1(81.47,52.53) 81.64,52.71 D59.1 ; R229.2 v1(35.68,67.11) 35.68,67.98 35.72,68.03 ; C145.2 20.44,62.19 v1(19.66,62.96) 19.45,63.18 R200.2 ; C162.2 v1(29.61,67.14) ; U35.1 36.33,62.78 36.11,62.55 34.68,62.55 34.43,62.81 U35.3 34.43,64.28 34.55,64.4 R222.2 v1(34.45,65.18) ; D10.1 v1(90.73,25.31) D9.1 ; R240.2 v1(68.78,71.02) 68.92,71.16 69.88,71.16 ; v1(65.42,16.82) 65.41,16.83 U8.8 U8.3 v1(65.41,18.86) ; v1(8.34,54.51) J12.4 6.18,54.51 6.16,54.49 ; 27.85,56.24 27.34,56.24 26.56,55.46 27.72,55.46 27.77,55.4 ; C136.2 35.07,59.57 34.66,59.16 v1(34.66,58.91) 34.66,57.92 34.29,57.56 33.15,57.56 32.35,56.75 C125.2 ; v1(41.87,16.72) 41.88,16.73 U4.8 U4.3 41.88,18.76 v1(41.9,18.78) ; 12.75,9.38 v1(12.25,9.38) ; C77.1 70.85,46.2 71.18,46.54 71.2,46.54 71.27,46.62 v1(71.79,46.62) ; C137.2 v1(55.23,61.52) ; R242.2 68.37,74.03 v1(68.67,74.33) ; 32.68,48.29 32.66,48.28 U23.9 32.66,47.24 32.65,47.23 ; C112.2 v1(16.07,55.08) ; D28.1 v1(91.53,54.54) 91.47,54.6 D30.1 ; C68.2 v1(46.21,42) ; D12.1 v1(10.03,26.48) ; R158.1 v1(81.53,44.27) ; C126.2 v1(64.89,57) ; Q31.2 v1(48.12,64.78)
  TOP w0.508: J1.S4 96.55,7.4 ; J1.S4 97.87,5.79 98.08,5.57 ; J1.S4 95.95,6.39 J1.B1 ; C122.2 v1(19.84,56.07) R148.2 ; C122.2 R155.2 19.09,57.97 v1(19.06,57.94) ; C122.2 19.81,57.03 19.27,57.03 ; 90.51,30.49 89.43,30.49 MH3.1 86.07,33.85 86.07,35.97 ; J16.3 60.59,69.5 60.59,69.98 ; J16.3 59.58,68.49 59.58,67.67 ; J16.3 59.07,69.52 59.07,69.88 ; J16.3 60.34,68.25 60.34,67.7 ; J3.22 65.37,12.84 65.37,11.89 ; J3.22 67.07,14.54 v1(67.07,15.4) ; J3.22 66.16,14.95 v1(66.53,15.32) ; J3.22 66.59,13.21 66.59,11.49 ; v1(9.87,66.02) 9.87,65.89 9.92,65.84 C158.2 ; v1(67.6,51.85) 67.63,51.82 67.63,51.8 67.9,51.52 Q19.2 ; Q2.2 v1(94.54,11.18) ; v1(72.96,48.22) 72.98,48.24 C191.2 R272.2 ; R200.2 C146.2 R186.2 ; J1.S2 87.95,7.38 v1(88.1,7.53) ; J1.S2 88.55,6.39 J1.B12 ; J1.S2 J1.S1 ; v1(44.06,55.15) 44.16,55.15 44.36,55.35 44.36,55.66 C121.2 ; v1(75.73,1.99) 75.73,0.9 75.68,0.85 ; C89.2 v1(38.02,48.57) ; R225.2 57.56,66.56 57.42,66.71 v1(57.24,66.71) ; 88.12,35.75 88.12,33.2 ; C96.2 25.64,49.52 C95.2 25.64,48.83 25.87,48.6 25.87,47.4 v1(26.4,46.87) ; R118.2 v1(20.76,45.98)
  TOP w1.016: v1(63.05,9.1) 63.05,9.91 J3.4 ; 37.58,6.76 36.39,7.96 J4.20 ; J1.S3 96.06,1.1 95.18,1.1 ; J1.S3 95.99,2.14 v1(95.18,2.14) ; J1.S3 J1.S4 ; 91.07,34.04 88.96,34.04 MH3.1 86.14,31.22 86.14,29.12 ; J4.20 34.94,7.96 33.84,6.87 ; J4.20 J4.19 ; J4.20 36.02,5.27 36.05,5.24 ; 6.08,4.71 6.09,4.72 J2.2 4.02,5.77 4,5.8 ; v1(48.91,5.98) 49.16,6.23 J4.21 ; J4.21 48.65,7.96 47.41,6.71 ; J4.21 53.02,7.96 J3.20 ; J4.21 49.16,10.09 49.16,10.09 49.16,13.63 J4.22 49.17,13.63 J3.19 J3.20 ; J3.20 53.69,7.95 v1(54.88,6.76) 55.08,6.56 ; J3.20 53.02,5.6 53.05,5.57
  GND02 w0.381: 59.59,10.77 J3.7 ; J3.7 60.27,11.45 ; J3.7 58.91,11.45 ; J3.7 59.59,12.13 ; 66.16,11.95 J3.22 ; J3.22 66.16,15.31 ; J3.22 64.48,13.63 ; 9.91,8.77 J2.3 ; J2.3 10.69,6.84 ; J2.3 11.47,8.77 ; J2.3 10.69,10.7 ; J5.23 17.34,2.87 ; J5.23 16.51,1.59 ; J5.23 16.51,4.15 ; J5.23 15.68,2.87 ; MH1.1 19.48,75.5 ; MH1.1 16.2,72.22 ; MH1.1 12.92,75.5 ; 96.29,32.03 J10.9 ; J10.9 97.27,33.01 ; J10.9 97.27,31.05 ; J10.9 98.25,32.03 ; 95.77,5.79 J1.S4 96.55,7.06 ; 94.73,43.75 J10.20 ; J10.20 95.71,44.73 ; J10.20 93.75,44.73 ; J10.20 94.73,45.71 ; J15.7 35.38,68.75 ; J15.7 33.5,68.75 ; J15.7 34.44,67.81 ; J15.7 34.44,69.69 ; 93.75,57.43 J10.30 ; J10.30 94.73,58.41 ; J10.30 95.71,57.43 ; J10.30 94.73,56.45 ; 59.59,13.97 J3.16 ; J3.16 58.91,14.65 ; J3.16 60.27,14.65 ; J3.16 59.59,15.33 ; J1.S1 88.73,1.59 ; J1.S1 87.95,2.86 ; J1.S1 87.17,1.59 ; 3.62,70.49 3.56,70.55 J14.1 ; 96.29,52.35 J10.25 ; J10.25 98.25,52.35 ; J10.25 97.27,53.33 ; J10.25 97.27,51.37 ; 23.34,68.75 J15.11 ; J15.11 24.28,67.81 ; J15.11 24.28,69.69 ; J15.11 25.22,68.75 ; J15.9 30.3,68.75 ; J15.9 28.42,68.75 ; J15.9 29.36,67.81 ; J15.9 29.36,69.69 ; J5.21 16.51,10.75 ; J5.21 17.34,8.87 ; J5.21 16.51,6.99 ; J5.21 15.68,8.87 ; J13.1 90.38,68.75 ; J13.1 89.65,69.48 ; J13.1 89.65,68.02 ; 34.35,13.64 J4.19 ; J4.19 36.02,15.32 ; J4.19 37.7,13.64 ; J2.2 8.02,5.77 ; J2.2 4.17,5.77 ; J2.2 6.09,6.55 ; J2.2 6.09,5 ; J5.22 31.84,2.87 ; J5.22 30.18,2.87 ; J5.22 31.01,1.59 ; J5.22 31.01,4.15 ; 79.8,72.22 MH2.1 ; MH2.1 76.52,75.5 ; MH2.1 83.08,75.5 ; MH4.1 87.42,58.03 ; MH4.1 89.75,55.7 ; MH4.1 87.42,53.37 ; MH4.1 85.09,55.7 ; 8.52,74.21 J17.3 ; J17.3 9.5,75.19 ; J17.3 7.54,75.19 ; J17.3 8.52,76.17 ; J1.S2 88.73,5.79 ; J1.S2 87.95,7.06 ; J1.S2 87.95,4.51 ; J5.20 31.84,8.87 ; J5.20 31.01,10.75 ; J5.20 30.18,8.87 ; J5.20 31.01,6.99 ; 47.49,13.64 J4.22 ; J4.22 50.84,13.64 ; J4.22 49.16,15.32 ; J4.13 46.77,13.16 ; J4.13 46.09,13.84 ; J4.13 45.42,13.16 ; J4.13 46.09,12.48 ; J4.7 42.59,12.14 ; J4.7 41.92,11.46 ; J4.7 42.59,10.78 ; J4.7 43.27,11.46 ; J3.13 63.77,13.15 ; J3.13 62.41,13.15 ; J3.13 63.09,13.83 ; J3.13 63.09,12.47 ; J16.3 59.84,69.69 ; J16.3 58.9,68.75 ; J16.3 59.84,67.81 ; J16.3 60.78,68.75 ; 93.75,37.11 J10.14 ; J10.14 94.73,38.09 ; J10.14 95.71,37.11 ; J10.14 94.73,36.13 ; J4.16 42.59,15.34 ; J4.16 42.59,13.98 ; J4.16 43.27,14.66 ; J4.16 41.92,14.66 ; MH3.1 89.75,32.5 ; MH3.1 87.42,34.83 ; MH3.1 85.09,32.5 ; MH3.1 87.42,30.17 ; J17.1 9.5,77.73 ; J17.1 7.54,77.73 ; J17.1 8.52,76.75 ; J10.6 95.71,26.95 ; J10.6 94.73,25.97 ; J10.6 94.73,27.93 ; J10.6 93.75,26.95 ; 63.09,9.27 J3.4 ; J3.4 63.77,9.95 ; J3.4 62.41,9.95 ; J3.4 63.09,10.63 ; J10.34 95.71,62.51 ; J10.34 93.75,62.51 ; J10.34 94.73,63.49 ; J10.34 94.73,61.53 ; 95.77,1.59 J1.S3 97.33,1.59 ; J4.4 46.09,10.64 ; J4.4 45.42,9.96 ; J4.4 46.09,9.28 ; J4.4 46.77,9.96 ; 15.01,21.87 J7.2 ; J7.2 15.99,22.85 ; J7.2 15.99,20.89 ; J7.2 16.97,21.87 ; 2.55,71.43 2.52,71.4 J14.1 ; J3.21 66.16,9.63 ; J3.21 64.48,7.95 ; J3.21 66.16,6.27 ; J14.1 1.75,70.55 1.66,70.47 ; 97.27,69.15 J10.39 ; J10.39 98.25,70.13 ; J10.39 97.27,71.11 ; J10.39 96.29,70.13 ; 54.7,13.63 J3.19 53.02,15.31